# Altium PCB FOTA.PcbDoc (continued)
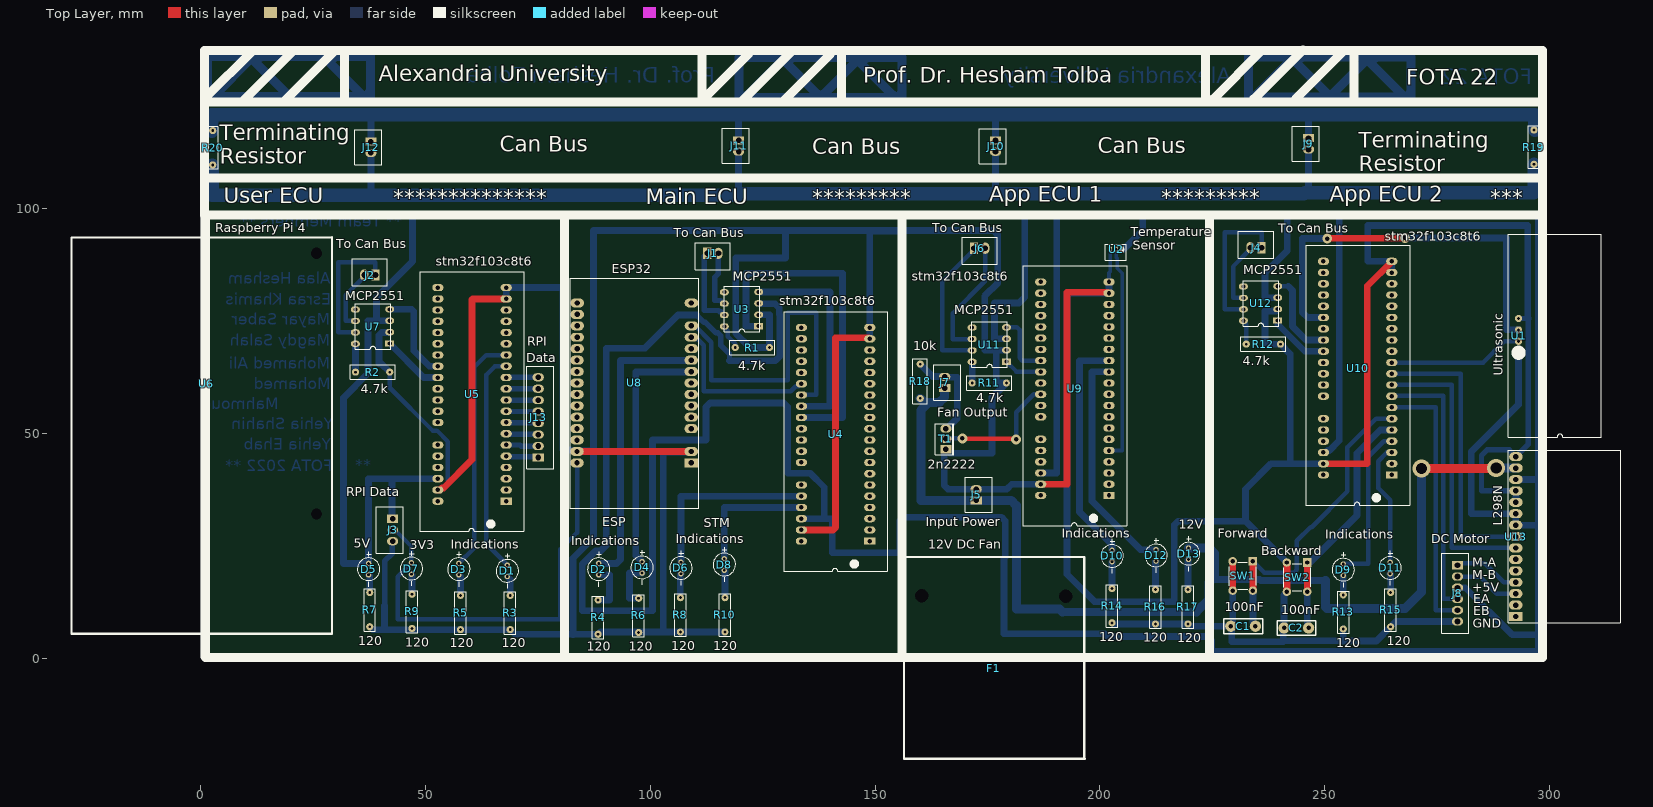
[diagram p0: Top Layer view]
## Part data (continued)
U4 U5 U9 U10: "STM32 Nucleo-32 development board with STM32F031K6 MCU, supports Arduino connectivity", Manufacturer 1=STMicroelectronics, Manufacturer Part Number 1=NUCLEO-F031K6, Package Quantity=1, Category="Development Boards, Kits, Programmers", ComponentLink1Description=http://www.farnell.com/datasheets/1966773.pdf?src-supplier=Farnell, ComponentLink1URL=http://www.farnell.com/datasheets/1966773.pdf?src-supplier=Farnell, ComponentLink2Description=http://www.farnell.com/datasheets/1966773.pdf?src-supplier=Element14, ComponentLink2URL=http://www.farnell.com/datasheets/1966773.pdf?src-supplier=Element14, ComponentLink3Description=http://www.st.com/st-web-ui/static/active/en/resource/technical/document/user_manual/DM00119724.pdf?s_searchtype=keyword&src-supplier=Avnet, ComponentLink3URL=http://www.st.com/st-web-ui/static/active/en/resource/technical/document/user_manual/DM00119724.pdf?s_searchtype=keyword&src-supplier=Avnet, ComponentLink4Description=http://www.st.com/content/ccc/resource/technical/document/datasheet/4d/c2/7e/10/77/4f/4a/60/DM00104043.pdf/files/DM00104043.pdf/jcr:content/translations/en.DM00104043.pdf?src-supplier=Digi-Key, ComponentLink4URL=http://www.st.com/content/ccc/resource/technical/document/datasheet/4d/c2/7e/10/77/4f/4a/60/DM00104043.pdf/files/DM00104043.pdf/jcr:content/translations/en.DM00104043.pdf?src-supplier=Digi-Key, Core Architecture=ARM, Evaluation Kit=Yes, Lead Free="Lead Free", Number of Bits=32, Pricing 1="61=15.28100, 70=14.45500, 130=13.62900, 310=12.80300, 610=11.97700, 3100=11.15100, 6100=10.32500 (USD)", REACH SVHC="No SVHC", RoHS=Yes, Stock 1=0, Supplier 1=Avnet, Supplier Part Number 1=NUCLEO-F031K6
U13: library part "L298N Breakout"

## Via types
v1: diameter 2.2, hole 1, Top Layer to Bottom Layer, 4 vias
v2: diameter 4, hole 2.5, Top Layer to Bottom Layer, 2 vias

## Nets (pads, with @x,y where several pads share a name; then routed paths per layer and width w, separated by ;. In a path a pad name is that pad's centre, name@x,y a point inside that pad or via, vN(x,y) a via of type N, cw(c..) or ccw(c..) an arc to the next point about the centre after c; other vN are vias at no path point)
3V3: D7.1 J3.2 U8.30 | length 95.7
  Bottom Layer w1: J3.2 43.209,28.515 46.863,24.861 D7.1 43.815,18.161 43.815,8.636 80.01,8.636 80.01,24.257 83.693,27.94 U8.30
5V: D5.1 J3.1 J8.3 U1.1 U2.1 U3.3 U4.44 U5.44 U7.3 U9.44 U10.44 U11.3 U12.3 U13.9 U13.10 U13.13 | length 1210.8
  Bottom Layer w1.2: 110.311,76.327 111.961,74.677 112.267,74.677 114.602,72.342 115.059,72.342 115.649,71.752 115.649,69.624 117.602,67.671 117.602,66.167
  Bottom Layer w1.3: 128.651,76.552 128.806,76.397
  Bottom Layer w1.5: U7.3 39.116,75.057 ; J3.1 42.545,31.142 42.545,39.925 ; U5.44 42.545,39.925 ; 110.311,76.327 106.172,76.327 98.806,68.961 90.17,68.961 90.17,25.066 88.94,23.836 87.844,23.836 84.836,20.828 84.836,10.541 100.457,10.541 100.457,48.514 112.395,48.514 112.395,55.89 113.274,56.769 129.677,56.769 130.556,55.89 130.556,41.148 135.558,41.148 138.684,38.022 138.684,31.035 ; 117.602,66.167 127.811,66.167 128.806,67.162 128.806,76.397 ; U3.3 124.182,78.842 127.772,78.842 128.651,77.963 128.651,76.552 128.651,76.537 ; U4.44 138.684,31.035 ; U11.3 176.53,71.044 176.53,78.994 181.991,78.994 183.261,80.264 183.261,97.839 183.974,98.552 ; U9.44 190.373,41.188 190.373,98.679 ; U2.1@205.261,90.932 209.55,95.221 209.55,98.679 ; U12.3 236.728,80.188 236.728,85.725 241.681,90.678 241.681,98.679 ; U10.44 250.199,45.767 250.649,46.217 251.021,46.217 253.238,48.434 253.238,98.679 ; 252.73,98.679 253.238,98.679 ; J8.3 281.258,15.668 291.686,5.24 297.561,5.24 ; U13.9 297.561,29.591 297.561,5.24 ; U13.9@292.481,30.053 U13.10 282.575,32.131 282.575,45.847 293.116,56.388 U1.1 ; U13.13 297.561,39.751 ; 297.561,29.845 297.561,39.751 ; 39.116,75.057 37.211,75.057 37.211,63.373 31.75,57.912 31.75,21.082 D5.1 37.338,39.925 42.545,39.925 ; 39.116,75.057 39.116,80.264 47.117,88.265 47.117,98.679 190.373,98.679 ; 138.684,31.035 140.481,31.035 140.481,23.463 155.448,23.463 155.448,30.49 156.327,31.369 178.064,31.369 178.943,30.49 178.943,22.479 178.689,22.225 178.689,5.461 201.041,5.461 201.676,4.826 223.911,4.826 224.79,3.947 224.79,1.524 297.561,1.524 297.561,5.24 ; 190.373,98.679 209.55,98.679 ; 209.55,98.679 241.681,98.679 ; 241.681,98.679 253.238,98.679 ; 253.238,98.679 297.561,98.679 297.561,44.906 297.561,39.751
12V: D13.1 J5.1 J7.1 R18.1 U13.14 | length 238.9
  Top Layer w2: v2(271.526,42.164) 287.972,42.164 v2(288.131,42.323)
  Bottom Layer w1.5: 224.946,17.526 235.562,17.526 235.788,17.3 250.19,17.3
  Bottom Layer w1.8: 191.665,10.287 221.459,10.287
  Bottom Layer w2: R18.1 160.909,56.896 161.925,56.896 ; J7.1 165.481,58.068 164.309,56.896 161.925,56.896 ; 191.665,10.287 191.058,10.894 181.427,10.894 181.427,33.92 180.255,35.092 J5.1 160.147,35.092 160.147,55.118 161.925,56.896 ; D13.1 224.282,24.511 225.454,23.339 225.454,18.034 ; 221.459,10.287 224.282,13.11 224.282,16.862 224.946,17.526 ; 250.19,17.3 250.19,11.369 250.51,11.049 267.843,11.049 271.526,14.732 v2(271.526,42.164) ; v2(288.131,42.323) 288.163,42.291 U13.14
A1_CAN_H: J6.1 U11.7 | length 32.2
  Bottom Layer w1: U11.7 164.973,68.453 164.973,83.811 171.998,90.836 J6.1
A1_CAN_L: J6.2 U11.6 | length 27.5
  Bottom Layer w1: U11.6 167.259,70.993 167.259,76.68 174.498,83.919 J6.2
A1_CAN_RX: U9.34 U11.4 | length 14.4
  Bottom Layer w1: U11.4 179.3,73.66 180.704,73.66 181.532,73.66 182.118,73.074 182.118,66.774 182.704,66.188 U9.34
A1_CAN_TX: U9.35 U11.1 | length 8.5
  Bottom Layer w1: U11.1 181.434,63.754 186.751,63.754 U9.35
A1_Ind1: D10.1 U9.13 | length 51.7
  Bottom Layer w1.5: U9.13 201.998,66.169 195.453,66.169 195.453,32.512 202.692,25.273 D10.1
A1_Ind2: D12.1 U9.12 | length 51.2
  Bottom Layer w1.5: U9.12 198.247,63.688 198.247,34.925 209.042,24.13 D12.1
A2_CAN_H: J4.1 U12.7 | length 33
  Bottom Layer w1: U12.7 227.711,77.597 227.711,94.742 235.966,94.742 J4.1
A2_CAN_L: J4.2 U12.6 | length 15.1
  Bottom Layer w1: U12.6 229.616,80.137 229.616,87.113 233.466,90.963 J4.2
A2_CAN_RX: U10.34 U12.4 | length 19.8
  Bottom Layer w1: U12.4 241.899,82.728
  Bottom Layer w1.5: 241.899,82.728 242.824,81.803 242.824,73.821 245.878,70.767 U10.34
A2_CAN_TX: U10.35 U12.1 | length 13.5
  Bottom Layer w1.5: U12.1 239.549,74.268 245.55,68.267 U10.35
A2_Ind1: D9.1 U10.4 | length 36.1
  Bottom Layer w1: D9.1 259.715,20.955 259.715,44.831 263.151,48.267 U10.4
A2_Ind2: D11.1 U10.3 | length 27.4
  Bottom Layer w1: D11.1 264.541,35.179 261.874,37.846 261.874,43.815 263.826,45.767 U10.3
DCM_A: U10.10 U13.8 | length 63.8
  Bottom Layer w1: U10.10 264.943,63.246 280.289,63.246 280.289,27.051 U13.8
DCM_B: U10.9 U13.7 | length 63.8
  Bottom Layer w1: U10.9 278.257,60.767 278.257,24.511 U13.7
DIAG0: J13.5 U5.9 | length 7.1
  Bottom Layer w1.2: U5.9 67.99,54.88 75.011,54.88 J13.5
DIAG1: J13.6 U5.10 | length 7.1
  Bottom Layer w1.2: U5.10 67.966,57.405 75.036,57.405 J13.6
DIAG2: J13.7 U5.11 | length 7.1
  Bottom Layer w1.2: U5.11 67.95,59.93 75.053,59.93 J13.7
DIAG_IN: J13.2 U5.6 | length 7.2
  Bottom Layer w1.2: U5.6 70.995,47.425 71.236,47.184 J13.2
DIAG_OUT: J13.8 U5.12 | length 7.1
  Bottom Layer w1.2: U5.12 67.974,62.455 75.028,62.455 J13.8
Echo: U1.3 U10.32 | length 90.2
  Top Layer w1.5: v1(250.571,93.345) 250.635,93.408 267.779,93.408 v1(267.843,93.472)
  Bottom Layer w1.5: U10.32 246.222,75.767 244.983,77.006 244.983,93.345 v1(250.571,93.345) ; v1(267.843,93.472) 290.449,93.472 290.449,73.025 U1.3
ENC_A: J8.4 U10.8 | length 59.9
  Bottom Layer w1: U10.8 265.075,58.42 276.352,58.42 276.352,13.168 J8.4
ENC_B: J8.5 U10.7 | length 59.7
  Bottom Layer w1: U10.7 274.701,55.767 274.701,10.668 J8.5
Fan: T1.2 U9.37 | length 29
  Top Layer w1: v1(169.418,48.895) 169.528,48.785 181.246,48.785 v1(181.356,48.674)
  Bottom Layer w1: T1.2@165.652,48.685 T1.2 165.862,48.895 v1(169.418,48.895) ; v1(181.356,48.674) 181.356,54.737 185.307,58.688 U9.37
GND: C1.2 C2.2 J3.3 J5.2 J8.6 R1.1 R2.1 R3.1 R4.1 R5.1 R6.1 R7.1 R8.1 R9.1 R10.1 R11.1 R12.1 R13.1 R14.1 R15.1 R16.1 R17.1 SW1.3 SW1.4 SW2.3 SW2.4 T1.1 U1.4 U2.3 U3.2 U4.19 U4.20 U4.45 U5.19 U5.20 U5.45 U7.2 U8.2 U8.29 U9.19 U9.20 U9.45 U10.19 U10.20 U10.45 U11.2 U12.2 U13.11 U13.12 U13.15 | length 1336.5
  Top Layer w1.5: U5.45 53.222,37.425 53.672,37.875 54.044,37.875 60.345,44.176 60.345,79.776 60.475,79.906 67.926,79.906 U5.19 ; U8.29 U8.2 ; U4.45 140.654,28.535 141.204,29.085 141.204,71.247 148.565,71.247 148.777,71.035 U4.19 ; U9.45 192.659,38.688 192.659,81.407 201.771,81.407 201.99,81.188 U9.19 ; SW1.4 SW1.3 ; SW2.4 SW2.3 ; U10.45 259.461,43.267 259.461,82.806 U10.20
  Bottom Layer w0.8: U9.20 202.017,85.688 202.311,85.982 U2.3
  Bottom Layer w1: R2.1 42.037,60.137 51.549,50.625 52.541,50.625 54.995,48.171 54.995,39.179 53.241,37.425 U5.45
  Bottom Layer w1.2: 40.894,11.684 40.894,21.59 42.619,23.315 42.619,25.962 J3.3 ; U13.12 284.861,37.211 284.861,45.085 286.131,46.355 290.997,46.355 U13.15 292.805,44.831 293.174,45.201 293.174,45.484 295.281,47.591 295.281,75.565 U1.4
  Bottom Layer w1.5: R7.1 37.619,6.985 38.254,6.35 40.894,6.35 ; 40.894,11.684 40.894,6.35 ; R2.1 42.037,63.654 40.137,65.554 39.624,65.554 39.624,71.826 40.264,72.465 41.985,72.465 U7.2 ; U5.45@52.726,37.444 U5.45 ; U5.19 U5.20 80.518,82.425 80.518,46.364 82.161,46.364 82.261,46.264 83.403,46.264 U8.29 83.789,46.07 86.837,46.07 86.868,46.101 ; 82.804,5.207 82.804,5.334 ; 102.87,5.969 102.87,45.878 108.997,45.878 U8.2 ; R10.1 R8.1 88.927,5.842 88.419,5.334 R4.1 82.804,5.334 ; U3.2 126.492,76.378 R1.1 122.174,69.088 118.999,72.263 118.999,89.027 130.048,89.027 130.048,94.615 ; U4.19 U4.20 148.804,94.996 154.94,94.996 ; 176.911,67.812 176.911,61.214 R11.1 175.999,58.016 175.999,45.593 166.624,45.593 T1.1 165.504,46.482 165.354,46.332 165.354,38.471 166.233,37.592 J5.2 179.296,37.592 180.392,38.688 U9.45 ; U11.2 174.371,68.504 174.371,80.518 177.292,83.439 177.292,94.117 176.286,95.123 87.376,95.123 87.376,26.797 82.804,22.225 82.804,5.334 ; U9.20 U9.19 192.659,81.188 192.659,18.669 198.755,12.573 216.535,12.573 216.535,29.601 217.414,30.48 232.394,30.48 ; R14.1 202.719,7.874 202.973,7.62 R16.1 R17.1 219.61,7.62 220.118,7.112 C1.2 ; SW1.4 229.525,7.8 229.108,7.383 C1.2 ; U12.2 239.143,77.241 236.728,77.241 236.728,69.85 R12.1 242.316,67.691 242.316,43.267 ; 240.96,14.046 C2.2 240.792,6.563 240.792,3.937 ; SW2.3 232.394,30.48 ; U10.45 242.316,43.267 ; R13.1 254.127,3.81 ; U10.19 U10.20 259.588,88.267 259.588,96.266 295.148,96.266 295.148,75.698 295.281,75.565 ; J8.6 265.851,8.168 R15.1 261.493,3.81 254.127,3.81 ; U13.11 U13.12 ; 40.894,6.35 R5.1 R3.1 68.861,6.35 69.877,5.334 82.804,5.334 ; C1.2 229.299,6.921 229.299,3.683 240.792,3.683 240.792,3.937 ; 232.394,30.48 232.394,37.576 238.085,43.267 242.316,43.267 ; 240.792,3.937 254.127,3.81
M_CAN_H: J1.1 U3.7 | length 17.8
  Bottom Layer w1.2: J1.1 112.014,89.408 112.014,77.343 115.138,77.343 115.413,77.068 115.718,77.068 U3.7
M_CAN_L: J1.2 U3.6 | length 13.3
  Bottom Layer w1.2: J1.2 115.149,85.547 114.309,84.707 114.309,79.558 115.569,79.558 116.261,78.867 U3.6
M_CAN_RX: U3.4 U4.34 | length 47.6
  Bottom Layer w1.5: U3.4 139.954,81.458 139.954,56.035 U4.34
M_CAN_TX: U3.1 U4.35 | length 77.3
  Bottom Layer w1.5: U3.1 121.285,73.838 121.285,85.598 142.748,85.598 142.748,53.535 U4.35
M_Ind1: D2.1 U8.10 | length 65.2
  Bottom Layer w1.5: D2.1 92.466,21.082 93.345,21.961 93.345,25.908 93.345,66.198 108.997,66.198 U8.10
M_Ind2: D4.1 U8.9 | length 55.1
  Bottom Layer w1.5: D4.1 96.774,22.86 96.774,63.658 108.997,63.658 U8.9
M_Ind3: D6.1 U4.42 | length 41.5
  Bottom Layer w1.5: D6.1 106.807,36.035 U4.42
M_Ind4: D8.1 U4.43 | length 28.6
  Bottom Layer w1.5: D8.1 116.459,33.535 U4.43
M_RX: U4.32 U8.12 | length 36.2
  Bottom Layer w1: U8.12 109.768,71.384 110.158,70.994 110.524,70.994 111.887,69.631 111.887,59.343 131.204,59.343 132.346,60.485 132.796,60.485 133.054,60.485 U4.32
M_TX: U4.33 U8.13 | length 74.3
  Bottom Layer w1: U8.13 109.921,73.924 113.538,70.307 113.538,61.849 130.556,61.849 130.556,76.835 136.906,76.835 136.906,58.554 133.623,58.554 U4.33
MotorA: J8.1 U13.4 | length 14.9
  Bottom Layer w1: J8.1 279.941,21.082 285.623,21.082 289.814,16.891 U13.4
MotorB: J8.2 U13.3 | length 14.5
  Bottom Layer w1: J8.2 284.473,18.168 288.29,14.351 U13.3
NetD1_2: D1.2 R3.2 | length 4.5
  Bottom Layer w1.5: D1.2 68.834,17.526 R3.2
NetD2_2: D2.2 R4.2 | length 10.5
  Bottom Layer w1.5: R4.2 90.932,12.954 90.932,18.542 D2.2
NetD3_2: D3.2 R5.2 | length 4.7
  Bottom Layer w1.5: D3.2 57.785,18.161 R5.2
NetD4_2: D4.2 R6.2 | length 10.4
  Bottom Layer w1.5: R6.2 95.377,13.335 95.377,18.923 D4.2
NetD5_2: D5.2 R7.2 | length 4
  Bottom Layer w1.5: D5.2 37.592,18.288 R7.2
NetD6_2: D6.2 R8.2 | length 5.4
  Bottom Layer w1.5: R8.2 106.68,18.669 D6.2
NetD7_2: D7.2 R9.2 | length 4.5
  Bottom Layer w1.5: D7.2 46.99,18.542 R9.2
NetD8_2: D8.2 R10.2 | length 6.1
  Bottom Layer w1.5: D8.2 116.586,19.431 R10.2
NetD9_2: D9.2 R13.2 | length 4.3
  Bottom Layer w1.5: R13.2 D9.2
NetD10_2: D10.2 R14.2 | length 6
  Bottom Layer w1.5: R14.2 D10.2
NetD11_2: D11.2 R15.2 | length 4.2
  Bottom Layer w1.5: D11.2 264.668,18.669 R15.2
NetD12_2: D12.2 R16.2 | length 6.4
  Bottom Layer w1.5: R16.2 212.344,21.463 D12.2
NetD13_2: D13.2 R17.2 | length 6.8
  Bottom Layer w1.5: R17.2 219.583,21.844 D13.2
NetJ7_2: J7.2 R18.2 T1.3 | length 22.1
  Bottom Layer w1.5: R18.2 162.797,62.628 165.424,62.628 J7.2 165.538,62.514 168.243,62.514 168.243,53.294 166.004,51.054 T1.3
NetJ9_1: J9.1 J10.1 J11.1 J12.1 R19.1 R20.1 | length 324.6
  Bottom Layer w1.5: J12.1 37.846,120.777 37.973,120.904 ; J11.1 119.634,120.523 120.015,120.904 ; 176.403,120.904 176.784,120.523 J10.1 ; 245.999,120.904 246.38,120.523 J9.1
  Bottom Layer w3: R20.1@2.413,117.221 2.413,120.904 37.973,120.904 120.015,120.904 176.403,120.904 245.999,120.904 296.672,120.904 R19.1@296.672,117.475
NetJ9_2: J9.2 J10.2 J11.2 J12.2 R19.2 R20.2 | length 348.9
  Bottom Layer w1.5: J12.2 37.846,103.378 37.973,103.251 41.021,103.251 ; 119.634,102.997 119.634,103.124 ; 119.634,103.251 J11.2 ; 176.784,102.616 176.784,103.251 J10.2 ; 245.364,103.251 245.618,103.505 246.38,104.267 J9.2
  Bottom Layer w3: R20.2@2.54,109.601 2.54,102.997 119.634,102.997 ; 119.634,103.251 176.784,103.251 245.364,103.251 ; 245.618,103.505 296.545,103.505 R19.2
NetR1_2: R1.2 U3.8 | length 5.7
  Bottom Layer w1: U3.8 116.459,73.595 117.249,72.805 117.249,71.538 118.872,69.915 R1.2
NetR2_2: R2.2 U7.8 | length 6.3
  Bottom Layer w1.5: U7.8 34.417,69.899 R2.2
NetR11_2: R11.2 U11.8 | length 4.7
  Bottom Layer w1.5: R11.2 U11.8
NetR12_2: R12.2 U12.8 | length 5.5
  Bottom Layer w1: U12.8 231.902,74.95 232.537,74.315 R12.2
RES_FLAG: J13.3 U5.7 | length 7.2
  Bottom Layer w1.2: U5.7 68.022,49.848 74.943,49.848 J13.3
SW_A: C1.1 SW1.1 SW1.2 U10.6 | length 70.3
  Top Layer w1.5: SW1.2 SW1.1
  Bottom Layer w1: SW1.1 236.513,19.05 243.197,19.05 243.782,19.636 243.782,26.093 246.848,29.158 247.087,29.158 255.016,37.087 255.016,46.863 261.42,53.267 U10.6
  Bottom Layer w1.5: SW1.2 234.025,7.927 234.569,7.383 C1.1
SW_B: C2.1 SW2.1 SW2.2 U10.5 | length 53.8
  Top Layer w1.5: SW2.2 SW2.1
  Bottom Layer w1.5: SW2.2 246.09,7.333 246.421,7.002 C2.1 ; SW2.1 246.709,21.284 257.175,31.75 257.175,45.593 262.349,50.767 U10.5
Trig: U1.2 U10.11 | length 30.1
  Bottom Layer w1: U10.11 285.223,65.767 289.941,70.485 U1.2
U_CAN_H: J2.1 U7.7 | length 30.4
  Bottom Layer w1: U7.7 30.607,72.466 30.607,88.011 38.862,88.011 J2.1
U_CAN_L: J2.2 U7.6 | length 14
  Bottom Layer w1: U7.6 32.258,75.006 32.258,80.763 36.362,84.867 J2.2
U_CAN_RX: U5.34 U7.4 | length 21
  Bottom Layer w1.5: U7.4 46.863,77.597 47.37,77.09 47.37,68.454 50.899,64.925 U5.34
U_CAN_TX: U5.35 U7.1 | length 13.8
  Bottom Layer w1.5: U7.1 49.589,62.425 U5.35
U_Ind1: D1.1 U5.13 | length 49.5
  Bottom Layer w1: U5.13 65.433,64.925 63.5,62.992 63.5,25.454 68.199,20.755 D1.1
U_Ind2: D3.1 U5.14 | length 53.3
  Bottom Layer w1: D3.1 60.833,24.511 60.833,64.77 63.488,67.425 U5.14
UPT_IN: J13.1 U5.5 | length 7.2
  Bottom Layer w1.2: U5.5 68.022,44.848 74.843,44.848 J13.1
UPT_OUT: J13.4 U5.8 | length 7.2
  Bottom Layer w1.2: U5.8 68.016,52.355 74.986,52.355 J13.4
VO: U2.2 U9.5 | length 48.3
  Bottom Layer w0.8: U9.5 204.978,46.188 204.978,85.598 203.835,86.741 203.835,88.9 203.611,89.124 U2.2
pads on no net: F1.1 U3.5 U4.1 U4.2 U4.3 U4.4 U4.5 U4.6 U4.7 U4.8 U4.9 U4.10 U4.11 U4.12 U4.13 U4.14 U4.15 U4.16 U4.17 U4.18 U4.27 U4.28 U4.29 U4.30 U4.31 U4.36 U4.37 U4.38 U4.39 U4.41 U4.46 U5.1 U5.2 U5.3 U5.4 U5.15 U5.16 U5.17 U5.18 U5.27 U5.28 U5.29 U5.30 U5.31 U5.32 U5.33 U5.36 U5.37 U5.38 U5.39 U5.41 U5.42 U5.43 U5.46 U6.1 U7.5 U8.1 U8.4 U8.5 U8.6 U8.7 U8.8 U8.11 U8.15 U8.16 U8.17 U8.18 U8.19 U8.20 U8.21 U8.22 U8.23 U8.24 U8.25 U8.26 U8.27 U8.28 U9.1 U9.2 U9.3 U9.4 U9.6 U9.7 U9.8 U9.9 U9.10 U9.11 U9.14 U9.15 U9.16 U9.17 U9.18 U9.27 U9.28 U9.29 U9.30 U9.31 U9.32 U9.33 U9.36 U9.38 U9.39 U9.41 U9.42 U9.43 U9.46 U10.1 U10.2 U10.12 U10.13 U10.14 U10.15 U10.16 U10.17 U10.18 U10.27 U10.28 U10.29 U10.30 U10.31 U10.33 U10.36 U10.37 U10.38 U10.39 U10.41 U10.42 U10.43 U10.46 U11.5 U12.5 U13.1 U13.2 U13.5 U13.6
copper on no net: | length 402.5
  Bottom Layer w2: 3.302,125.476 11.049,133.223 ; 11.43,133.223 18.923,125.73 ; 12.827,133.604 13.208,133.604 ; 20.32,125.73 27.813,133.223 ; 27.94,133.223 35.687,125.476 ; 29.591,133.604 29.718,133.604 ; 37.465,125.476 37.465,125.857 ; 121.539,125.222 129.286,132.969 ; 129.667,132.969 137.16,125.476 ; 131.064,133.35 131.445,133.35 ; 138.557,125.476 146.05,132.969 ; 146.177,132.969 153.924,125.222 ; 147.828,133.35 147.955,133.35 ; 155.702,125.222 155.702,125.603 ; 234.823,125.349 242.57,133.096 ; 242.951,133.096 250.444,125.603 ; 244.348,133.477 244.729,133.477 ; 251.841,125.603 259.334,133.096 ; 259.461,133.096 267.208,125.349 ; 261.112,133.477 261.239,133.477 ; 268.986,125.349 268.986,125.73 ; 1.524,124.968 37.719,124.968 37.719,133.858 1.524,133.858 1.524,124.968 ; 119.761,124.714 155.956,124.714 155.956,133.604 119.761,133.604 119.761,124.714 ; 233.045,124.841 233.045,133.731 269.24,133.731 269.24,124.841 233.045,124.841

## Polygon pours and split planes (outlines as drawn)
no net on Bottom Layer "Bottom Layer-No Net 5" (solid, pour order 92): 199.517,68.199 199.517,79.248 194.691,79.248 194.691,68.199
no net on Bottom Layer "Bottom Layer-No Net 9" (solid, pour order 90): 262.255,55.499 262.255,85.09 255.397,85.09 255.27,84.963 255.27,55.499
no net on Bottom Layer "Bottom Layer-No Net 23" (solid, pour order 88): 264.922,3.048 267.97,6.096 287.274,6.096 290.322,3.048
no net on Bottom Layer "Bottom Layer-No Net 24" (solid, pour order 86): 28.702,93.345 28.702,89.281 44.704,89.281 44.577,89.408 44.577,93.345
no net on Bottom Layer "Bottom Layer-No Net 26" (solid, pour order 84): 35.433,2.54 35.433,18.923 35.306,18.796 28.956,18.796 28.956,39.497 28.829,39.624 0,39.624 0,2.667
no net on Bottom Layer "Bottom Layer-No Net 27" (solid, pour order 82): 35.433,2.54
no net on Bottom Layer "Bottom Layer-No Net 28" (solid, pour order 78): 70.612,33.147 65.151,33.147 65.151,26.416 67.818,23.749 71.501,23.749
no net on Bottom Layer "Bottom Layer-No Net 29" (solid, pour order 76): 69.723,32.512
no net on Bottom Layer "Bottom Layer-No Net 30" (solid, pour order 74): 70.485,64.389 70.485,79.883 79.248,79.883 78.994,79.629 78.994,42.545 81.788,42.545 81.788,28.575 78.232,25.019 78.232,10.287 45.085,10.287 45.212,10.414 45.212,12.065 49.022,12.065 49.149,12.192 49.149,25.781 49.022,25.908 49.022,27.305 44.831,31.496 44.831,37.592 50.165,37.592 50.292,37.719 50.292,32.766 56.261,32.766 56.388,32.893 56.388,51.562 55.118,52.832 55.118,83.566 55.245,83.439 55.372,83.566 65.151,83.566 65.151,70.993 58.928,64.77 58.928,24.892 55.626,21.59 55.626,12.192 59.436,12.192 59.69,12.446 59.69,20.701 61.595,22.606 64.135,22.606 64.135,20.955 66.294,18.796 66.294,12.446 66.421,12.319 70.612,12.319 70.612,42.291 76.962,42.291 76.962,64.389
no net on Bottom Layer "Bottom Layer-No Net 31" (solid, pour order 68): 109.093,8.255 109.093,33.782 114.554,33.782 114.554,8.255
no net on Bottom Layer "Bottom Layer-No Net 32" (solid, pour order 64): 98.806,50.927 98.806,61.976 106.045,61.976 106.172,61.976 106.172,50.927
no net on Bottom Layer "Bottom Layer-No Net 3" (solid, pour order 62): 269.748,45.466 269.748,54.229 272.796,54.229 272.796,45.466
no net on Bottom Layer "Bottom Layer-No Net 6" (solid, pour order 34): 236.22,30.861 241.427,25.654 241.427,26.924 247.523,33.02 247.396,33.147 247.396,39.243 236.22,39.243
no net on Bottom Layer "Bottom Layer-No Net 4" (solid, pour order 60): 269.748,67.691 269.748,91.821 288.29,91.821 288.29,72.009 283.972,67.691
no net on Bottom Layer "Bottom Layer-No Net 25" (solid, pour order 52): 34.29,45.466 34.29,42.164 49.53,42.291 49.53,49.911 41.148,58.293 34.29,58.293
no net on Bottom Layer "Bottom Layer-No Net" (solid, pour order 48): 137.16,51.562 137.16,43.815 140.843,40.132 141.478,40.132 141.478,33.909 141.351,33.782 141.605,33.528 146.304,33.528 146.304,51.054 145.669,51.689
no net on Bottom Layer "Bottom Layer-No Net 1" (solid, pour order 46): 192.659,96.266 192.659,83.185 199.263,83.185 199.263,96.266
no net on Bottom Layer "Bottom Layer-No Net 2" (solid, pour order 42): 281.94,64.262 281.94,47.371 289.56,54.991 289.56,64.135 289.306,64.389
no net on Bottom Layer "Bottom Layer-No Net 7" (solid, pour order 32): 206.629,32.92 206.629,87.757 206.629,88.519 212.852,94.742 212.852,97.028 224.917,97.028 224.917,74.93 225.044,75.057 229.489,75.057 229.489,67.437 229.743,67.691 238.379,67.691 238.379,47.117 226.568,35.306 226.568,33.147
no net on Bottom Layer "Bottom Layer-No Net 8" (solid, pour order 30): 183.515,34.272 183.515,16.365 183.642,16.238 183.896,16.492 190.754,16.492 190.754,34.272
no net on Bottom Layer "Bottom Layer-No Net 10" (solid, pour order 26): 120.65,4.445 120.65,31.242 129.159,31.242 129.159,18.542 129.413,18.288 131.572,20.447 159.258,20.447 159.258,29.21 159.512,29.464 175.641,29.464 175.641,4.953 173.355,4.953
no net on Bottom Layer "Bottom Layer-No Net 11" (solid, pour order 22): 222.984,2.667 0,2.667 0,0 222.885,0
no net on Bottom Layer "Bottom Layer-No Net 12" (solid, pour order 20): 114.681,37.973 114.554,38.1 114.554,54.61 128.143,54.61 128.397,54.356 128.397,37.973
no net on Bottom Layer "Bottom Layer-No Net 13" (solid, pour order 18): 151.702,93.345 168.021,93.345 168.021,89.662 162.433,84.074 162.433,68.707 161.671,67.945 157.099,67.945 157.099,33.147 156.845,32.893 151.829,32.893
no net on Bottom Layer "Bottom Layer-No Net 14" (solid, pour order 16): 133.604,92.837 146.939,92.837 146.685,92.583 146.685,87.249 133.858,87.249 133.731,87.122
no net on Bottom Layer "Bottom Layer-No Net 15" (solid, pour order 14): 89.662,92.964 89.662,70.739 89.916,70.993 98.298,70.993 105.791,78.486 105.791,84.328 108.966,84.328 108.712,84.582 108.712,92.964
no net on Bottom Layer "Bottom Layer-No Net 16" (solid, pour order 12): 49.149,96.012 49.149,84.963 84.709,84.963 84.836,85.09 84.709,85.217 84.709,96.012
no net on Bottom Layer "Bottom Layer-No Net 17" (solid, pour order 10): 22.987,91.948 22.987,87.249 0.381,87.249 0.381,91.948
no net on Bottom Layer "Bottom Layer-No Net 18" (solid, pour order 8): 249.047,106.68 249.047,118.364 293.497,118.364 293.497,106.68
no net on Bottom Layer "Bottom Layer-No Net 19" (solid, pour order 6): 179.324,106.553 179.324,118.237 243.078,118.237 243.078,106.553
no net on Bottom Layer "Bottom Layer-No Net 20" (solid, pour order 4): 122.301,106.553 122.301,118.237 174.625,118.237 174.498,118.11 174.498,106.553
no net on Bottom Layer "Bottom Layer-No Net 21" (solid, pour order 2): 42.799,106.426 42.799,117.856 115.57,117.856 115.57,106.426
no net on Bottom Layer "Bottom Layer-No Net 22" (solid, pour order 0): 15.113,105.791 15.113,117.856 32.512,117.856 32.385,117.729 32.385,105.791

## Other copper
Bottom Layer:
  text "Prof. Dr. Hesham Tolba" at 114.427,128.016 h3.5
  text "Alexandria University" at 229.235,127.889 h3.5
  text "FOTA 22" at 296.164,127.635 h3.5
  text "** Team Members **" at 44.831,96.012 h2.5
  text "Alaa Hesham" at 28.956,83.312 h2.5
  text "Esraa Khamis" at 29.083,78.613 h2.5
  text "Mayar Saber" at 28.829,74.168 h2.5
  text "Magdy Salah" at 28.829,69.469 h2.5
  text "Mohamed Ali" at 28.829,64.389 h2.5
  text "Mohamed" at 28.956,59.817 h2.5
  text "Mahmoud" at 17.399,55.372 h2.5
  text "Yehia Shahin" at 29.464,50.927 h2.5
  text "Yehia Ehab" at 29.083,46.355 h2.5
  text "**" at 37.973,41.656 h2.5
  text "FOTA 2022 **" at 29.21,41.529 h2.5

## Silkscreen, mask and mechanical layers (free items; w line width, h text height)
Top Overlay:
  lines w2: 0.889,106.807 298.196,106.807 ; 1.016,97.536 1.016,0.127 80.899,0.127 ; 7.239,123.698 9.144,123.698 20.637,135.191 ; 11.367,134.938 1.27,124.841 1.27,123.698 298.323,123.698 ; 18.669,123.698 18.669,123.952 29.464,134.747 ; 32.004,124.206 32.004,135.001 ; 111.125,123.698 121.856,134.429 ; 111.506,124.333 111.506,134.366 ; 120.142,123.698 131.127,134.683 ; 129.603,123.888 139.954,134.239 ; 142.494,123.698 142.494,134.493 ; 223.52,123.952 223.52,135.128 ; 225.171,124.333 235.903,135.064 ; 234.188,124.333 245.173,135.319 ; 243.649,124.523 254,134.874 ; 256.54,124.333 256.54,135.128 ; 298.196,98.552 224.409,98.552 ; 80.899,0.127 155.956,0.127 ; 80.899,0.127 80.899,98.552 ; 80.899,98.552 0.889,98.552 0.889,135.128 298.45,135.128 298.45,95.25 298.45,0.127 224.409,0.127 ; 80.899,98.552 155.956,98.552 ; 155.956,0.127 224.409,0.127 ; 155.956,0.127 155.956,98.552 ; 155.956,98.552 224.409,98.552 ; 224.409,0.127 224.409,98.552
  text "Alexandria University" at 39.624,128.27 h3.5
  text "Prof. Dr. Hesham Tolba" at 147.32,128.016 h3.5
  text "FOTA 22" at 268.097,127.508 h3.5
  text "Can Bus" at 66.548,112.649 h3.5
  text "Can Bus" at 199.517,112.268 h3.5
  text "Can Bus" at 136.017,112.141 h3.5
  text "Terminating / Resistor" at 4.191,109.982 h3.5
  text "Terminating / Resistor" at 257.556,108.331 h3.5
  text "App ECU 1" at 175.387,101.473 h3.5
  text "App ECU 2" at 251.079,101.473 h3.5
  text "User ECU" at 5.08,101.219 h3.5
  text "Main ECU" at 98.933,100.965 h3.5
  text "**************" at 42.799,100.711 h3.5
  text "*********" at 136.017,100.711 h3.5
  text "*********" at 213.614,100.711 h3.5
  text "***" at 286.766,100.711 h3.5
  text "Sensor" at 207.264,90.805 h2
  text "Data" at 72.39,65.786 h2
  text "M-A" at 282.829,20.32 h2
  text "M-B" at 282.829,17.526 h2
  text "+5V" at 282.829,14.732 h2
  text "EA" at 283.083,12.192 h2
  text "EB" at 283.083,9.525 h2
  text "GND" at 282.956,6.731 h2